# KiCad board SmartEnergyMag_System.kicad_pcb (continued)
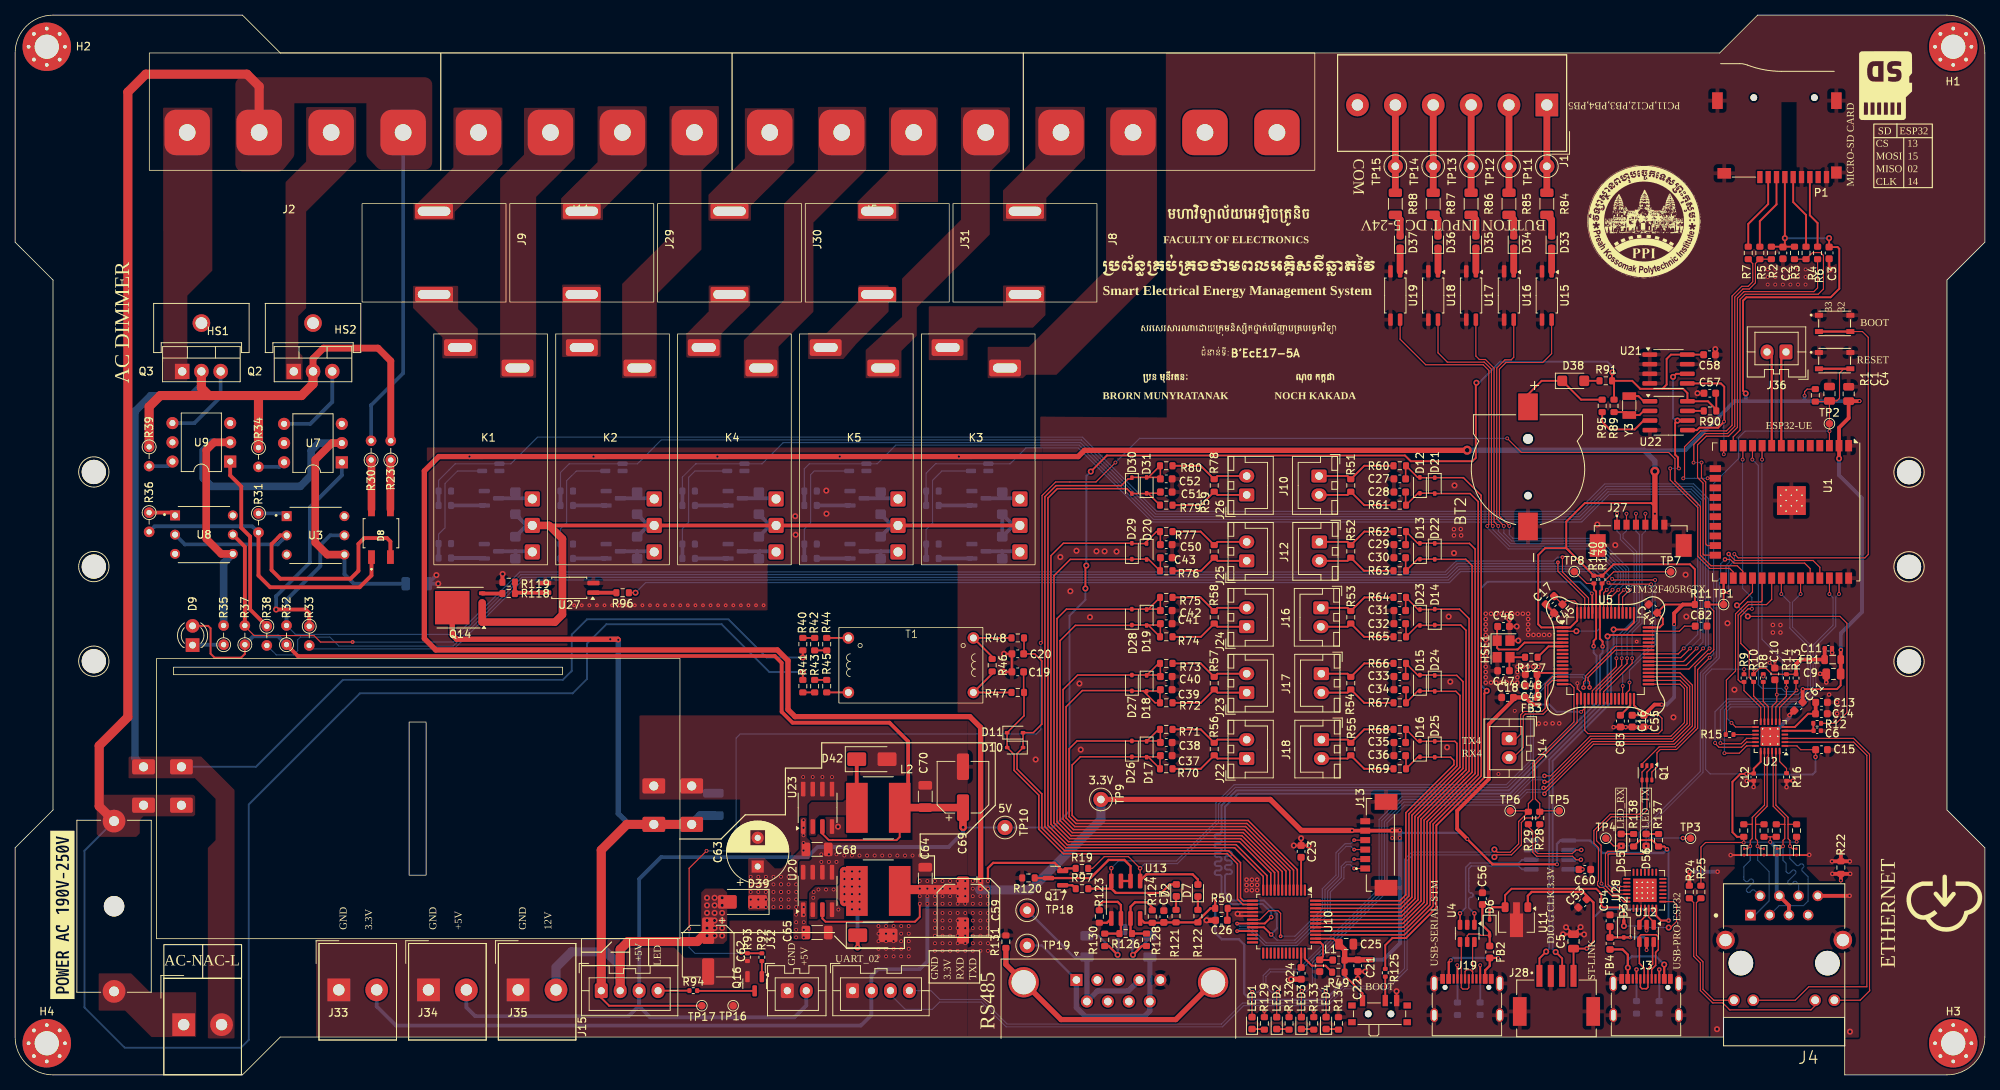
[diagram p0: board, top side]
## Placement (name value [footprint] x y rotation side) (continued)
TP11  C5199900  [TestPoint_Loop_D1.80mm_Drill1.0mm_Beaded]  202.18 120.03 270 top
TP12  C5199900  [TestPoint_Loop_D1.80mm_Drill1.0mm_Beaded]  197.18 120.03 270 top
TP13  C5199900  [TestPoint_Loop_D1.80mm_Drill1.0mm_Beaded]  192.18 120.03 270 top
TP14  C5199900  [TestPoint_Loop_D1.80mm_Drill1.0mm_Beaded]  187.18 120.03 270 top
TP15  C5199900  [TestPoint_Loop_D1.80mm_Drill1.0mm_Beaded]  182.18 120.03 270 top
TP16  TestPoint  [TestPoint_Pad_D1.0mm]  94.78 9.13 0 top
TP17  TestPoint  [TestPoint_Pad_D1.0mm]  90.64 9.13 90 top
TP18  C5199900  [TestPoint_Loop_D1.80mm_Drill1.0mm_Beaded]  133.58 21.75 0 top
TP19  C5199900  [TestPoint_Loop_D1.80mm_Drill1.0mm_Beaded]  133.58 17.09 0 top
U1  C328062  [ESP32-WROOM-32U]  233.77 74.37 270 top
U2  LAN8720A  [VQFN-24-1EP_4x4mm_P0.5mm_EP2.5x2.5mm_ThermalVias]  231.66 44.71 180 top
U3  MCT2E  [DIP762W50P254L742H480Q6]  39.65 71.27 0 top
U4  USBLC6  [SOT-23-6]  191.67 18.69 270 top
U5  C15742  [LQFP-64_10x10mm_P0.5mm]  209.94 55.36 0 top
U6  CH330N  [SOIC-8_3.9x4.9mm_P1.27mm]  202.59 29.05 0 bottom
U7  MOC3021M  [DIP-6_W7.62mm]  43.12 80.92 180 top
U8  MCT2E  [DIP762W50P254L742H480Q6]  24.92 71.37 0 top
U9  MOC3021M  [DIP-6_W7.62mm]  28.39 81.02 180 top
U10  BL0910  [LQFP-48_7x7mm_P0.5mm]  167.49 20.25 270 top
U11  AP130-33Y  [SOT-89-3]  198.17 20.2 270 top
U12  USBLC6  [SOT-23-6]  215.35 18.69 270 top
U13  MAX485E  [SOIC-8_3.9x4.9mm_P1.27mm]  146.6 23.13 270 top
U15  C3015389  [SOP-4_4.4x2.6mm_P1.27mm]  202.18 102.96 270 top
U16  C3015389  [SOP-4_4.4x2.6mm_P1.27mm]  197.18 102.96 270 top
U17  C3015389  [SOP-4_4.4x2.6mm_P1.27mm]  192.18 102.96 270 top
U18  C3015389  [SOP-4_4.4x2.6mm_P1.27mm]  187.18 102.96 270 top
U19  C3015389  [SOP-4_4.4x2.6mm_P1.27mm]  182.18 102.96 270 top
U20  XL1509-3.3  [SOIC-8_3.9x4.9mm_P1.27mm]  105.92 24.29 90 top
U21  AT24CS32-SSHM  [SOIC-8_3.9x4.9mm_P1.27mm]  218.25 93.25 0 top
U22  C9868  [SOIC-8_3.9x4.9mm_P1.27mm]  218.26 87.08 0 top
U23  XL1509-5.0  [SOIC-8_3.9x4.9mm_P1.27mm]  105.92 35.28 90 top
U27  C3015389  [SOP-4_4.4x2.6mm_P1.27mm]  73.14 64.33 180 top
U28  CP2102N  [QFN-28-1EP_5x5mm_P0.5mm_EP3.1x3.1mm_ThermalVias]  215.12 24.38 90 top
U29  SN74LVC1G14DBV  [SOT-23-5]  62.78 80.73 180 bottom
U30  SN74LVC1G14DBV  [SOT-23-5]  79.04 80.73 180 bottom
U31  SN74LVC1G14DBV  [SOT-23-5]  95.13 80.73 180 bottom
U32  SN74LVC1G14DBV  [SOT-23-5]  111.22 80.73 180 bottom
U33  SN74LVC1G14DBV  [SOT-23-5]  127.31 80.73 180 bottom
Y3  32768Hz  [Crystal_SMD_3215-2Pin_3.2x1.5mm]  213.06 88.42 270 top

## Library data of the parts
BOOT1 = -: Description: Switch, dual pole double throw, separate symbols; ki_fp_filters: SW*DPDT*
BT2 = -: STANDARD: Manufacturer Recommendation; MAXIMUM_PACKAGE_HEIGHT: 4.25mm; PARTREV: 10/31/19; MANUFACTURER: MPD
C1-C6 C9-C18 C44-C47 C49 C53-C58 C60 C61 C82 C83 = -: ki_fp_filters: C_*
C7 C19-C43 C50-C52 C64 C65 C68 C70 C71 = -: Description: Unpolarized capacitor; ki_fp_filters: C_*
C48 = -: ki_fp_filters: CP_*
C59 C62 C63 C69 = -: Description: Polarized capacitor; JLCPCB Part #: C59918; ki_fp_filters: CP_*
D1 D3-D5 = -: Datasheet: https://www.onsemi.com/pub/Collateral/ESD9B-D.PDF; ki_fp_filters: D*SOD?923*
D2 D7 D36 D55 D56 = -: Description: Light emitting diode; ki_fp_filters: LED* LED_SMD:* LED_THT:*
D6 D32 = -: ki_fp_filters: TO-???* *_Diode_* *SingleDiode* D_*
D8 = -: Description: 0.8A, 600V, Standard Bridge Rectifier; MF: Taiwan Semiconductor; MAXIMUM_PACKAGE_HEIGHT: 2.9mm; Package: TO-269AA-4 Taiwan Semiconductor; Price: None; Check_prices: https://www.snapeda.com/parts/MBS6/Taiwan+Semiconductor/view-part/?ref=eda; STANDARD: Manufacturer Recommendations; PARTREV: Q2309; SnapEDA_Link: https://www.snapeda.com/parts/MBS6/Taiwan+Semiconductor/view-part/?ref=snap; Purchase-URL: https://www.snapeda.com/api/url_track_click_mouser/?unipart_id=486189&manufacturer=Taiwan Semiconductor&part_name=MBS6&search_term=bridge rectifier; SNAPEDA_PN: X; Availability: In Stock; MANUFACTURER: Taiwan Semiconductor
D9 LED1-LED4 = -: ki_fp_filters: LED* LED_SMD:* LED_THT:*
D10-D31 = -: Datasheet: https://www.vishay.com/docs/85751/1n4148ws.pdf; Description: 75V 0.15A Fast switching Diode, SOD-323; Sim.Device: D; Sim.Pins: 1=K 2=A; ki_fp_filters: D*SOD?323*
D33-D35 D37 = -: Description: Light emitting diode; Untitled Field: C84263; ki_fp_filters: LED* LED_SMD:* LED_THT:*
D38 = -: Sim.Pins: 1=K 2=A; ki_fp_filters: TO-???* *_Diode_* *SingleDiode* D_*
D39 D40 D42 = -: Datasheet: https://www.vishay.com/docs/88751/ss32.pdf; Description: 40V 3A Schottky Diode, SMA; ki_fp_filters: D*SMA*
D41 = -: Datasheet: https://www.onsemi.com/pub_link/Collateral/NUP2105L-D.PDF; Description: Dual Line CAN Bus Protector, 24Vrwm, Automotive Grade; ki_fp_filters: SOT?23*
D45-D54 = -: Description: Diode; Sim.Pins: 1=K 2=A; ki_fp_filters: TO-???* *_Diode_* *SingleDiode* D_*
DRA1 DRA2 = -: Description: DIN Rail adapter universal, mounting holes without connection; ki_fp_filters: DINRailAdapter?3xM3* DINRailAdapter?2xM3*
F1 F3 = -: Description: Fuse, small symbol; ki_fp_filters: *Fuse*
F2 = -: ki_fp_filters: *Fuse*
FB1-FB4 = -: ki_fp_filters: Inductor_* L_* *Ferrite*
H1-H4 = -: ki_fp_filters: MountingHole*Pad*
HS1 HS2 = -: ki_fp_filters: Heatsink_*
HSE1 Y3 = -: ki_fp_filters: Crystal*
J1 = -: Description: Generic screw terminal, single row, 01x06, script generated (kicad-library-utils/schlib/autogen/connector/); ki_fp_filters: TerminalBlock*:*
J2 = -: ki_fp_filters: TerminalBlock*:*
J3 = -: Datasheet: https://www.usb.org/sites/default/files/documents/usb_type-c.zip; Description: USB 2.0-only 16P Type-C Receptacle connector; Untitled Field: C7506797; ki_fp_filters: USB*C*Receptacle*
J4 = -: MF: hanrun; DESCRIPTION: DIP RJ45 Connector;; PACKAGE: None; PRICE: None; Package: None; Check_prices: https://www.snapeda.com/parts/HR911105A/HanRun/view-part/?ref=eda; STANDARD: Manufacturer Recommendation; PARTREV: A; SnapEDA_Link: https://www.snapeda.com/parts/HR911105A/HanRun/view-part/?ref=snap; Price: None; Availability: Not in stock; AVAILABILITY: Unavailable
J5 J6 J11 = -: JLCPCB Part #: C395960; ki_fp_filters: TerminalBlock*:*
J7 = -: Description: 9-pin male plug pin D-SUB connector, Mounting Hole; ki_fp_filters: DSUB*Male*
J8-J10 J12 J14 J16-J18 J22-J26 J29-J32 J36 = -: Description: Generic connector, single row, 01x02, script generated; ki_fp_filters: Connector*:*_1x??_*
J13 J27 = -: MF: Molex; MAXIMUM_PACKAGE_HEIGHT: 4.7mm; Package: None; Price: None; Check_prices: https://www.snapeda.com/parts/0533980671/Molex/view-part/?ref=eda; STANDARD: Manufacturer Recommendations; PARTREV: A; SnapEDA_Link: https://www.snapeda.com/parts/0533980671/Molex/view-part/?ref=snap; Description_1: Picoblade Connector, 6 Circuit Single Row, Right Angle Surface Mount SMT PCB; Availability: In Stock; MANUFACTURER: Molex
J15 J20 = -: Description: Generic connector, single row, 01x04, script generated; ki_fp_filters: Connector*:*_1x??_*
J19 = -: Datasheet: https://www.usb.org/sites/default/files/documents/usb_type-c.zip; Description: USB 2.0-only 16P Type-C Receptacle connector; ki_fp_filters: USB*C*Receptacle*
J21 J33-J35 = -: Description: Generic screw terminal, single row, 01x02, script generated (kicad-library-utils/schlib/autogen/connector/); ki_fp_filters: TerminalBlock*:*
J28 = -: MF: JST Sales; MAXIMUM_PACKAGE_HEIGHT: 5.8 mm; Package: None; Price: None; Check_prices: https://www.snapeda.com/parts/SM04B-ZESS-TB(LF)(SN)/JST+Sales+America+Inc./view-part/?ref=eda; STANDARD: Manufacturer Recommendations; PARTREV: N/A; SnapEDA_Link: https://www.snapeda.com/parts/SM04B-ZESS-TB(LF)(SN)/JST+Sales+America+Inc./view-part/?ref=snap; MP: SM04B-ZESS-TB(LF)(SN); Description_1: Connector Header Surface Mount, Right Angle 4 position 0.059 (1.50mm); Availability: In Stock; MANUFACTURER: JST
K1-K5 = -: Description: Relay SPST, Normally Open, EN50005; ki_fp_filters: Relay?SPST*
L1 = -: Description: Inductor; ki_fp_filters: Choke_* *Coil* Inductor_* L_*
L2 L4 = -: ki_fp_filters: Choke_* *Coil* Inductor_* L_*
P1 = -: Description: Micro SD Card Socket; MF: Suntech; Package: None; Price: None; Check_prices: https://www.snapeda.com/parts/ST-TF-003A/Suntech/view-part/?ref=eda; SnapEDA_Link: https://www.snapeda.com/parts/ST-TF-003A/Suntech/view-part/?ref=snap; MP: ST-TF-003A; Availability: Not in stock; MANUFACTURER: Suntech
PS1 = -: Datasheet: https://h.hlktech.com/download/ACDC%E7%94%B5%E6%BA%90%E6%A8%A1%E5%9D%9712W%E7%B3%BB%E5%88%97/1/12W%E7%B3%BB%E5%88%97%E8%A7%84%E6%A0%BC%E4%B9%A6.pdf; Description: Compact AC/DC board mount power module 12W 5V; ki_fp_filters: Converter*ACDC*Hi?Link*HLK?12M*
Q1 = -: Datasheet: http://rohmfs.rohm.com/en/products/databook/datasheet/discrete/transistor/digital/emh3t2r-e.pdf; Description: 0.1A Ic, 50V Vce, Dual NPN Input Resistor Transistors, SOT-363; ki_fp_filters: SOT?363*
Q2 Q3 = -: Datasheet: http://www.micropik.com/PDF/BT136-600.pdf; ki_fp_filters: TO?220*
Q4-Q13 Q16 = -: Description: NPN transistor, base/emitter/collector
Q14 = -: Datasheet: http://www.infineon.com/dgdl/Infineon-BSC026N08NS5-DS-v02_01-EN.pdf?fileId=5546d4624ad04ef9014ae2eace7629e0; Description: 100A Id, 80V Vds, OptiMOS N-Channel Power MOSFET, 2.6mOhm Ron, Qg (typ) 74.0nC, PG-TDSON-8; ki_fp_filters: TDSON*
Q17 = -: Description: PNP transistor, base/emitter/collector
R1-R18 R20-R39 R81 R82 R89-R95 R127 R129 R132-R134 R137 R138 = -: ki_fp_filters: R_*
R19 R40-R80 R83 R97 R120-R126 R128 R130 R131 R139 R140 = -: Description: Resistor; ki_fp_filters: R_*
R84-R88 = -: Description: Resistor; JLCPCB Part #: C3017298; ki_fp_filters: R_*
R96 R98-R119 = -: Description: Resistor, small symbol; ki_fp_filters: R_*
SW1 SW2 = -: Description: Tactile Switch SPST-NO Top Actuated Surface Mount; MF: C&K; Package: None; Price: None; Check_prices: https://www.snapeda.com/parts/PTS810%20SJM%20250%20SMTR%20LFS/C%2526K/view-part/?ref=eda; STANDARD: Manufacturer Recommendations; SnapEDA_Link: https://www.snapeda.com/parts/PTS810%20SJM%20250%20SMTR%20LFS/C%2526K/view-part/?ref=snap; MP: PTS810 SJM 250 SMTR LFS; Purchase-URL: https://www.snapeda.com/api/url_track_click_mouser/?unipart_id=522770&manufacturer=C&amp;K&part_name=PTS810 SJM 250 SMTR LFS&search_term=None; Availability: In Stock; MANUFACTURER: CnK
T1 = -: Description: Transformer, single primary, single secondary
TP1-TP10 TP12 = -: Description: test point (alternative probe-style design); ki_fp_filters: Pin* Test*
TP11 TP13-TP15 TP18 TP19 = -: Description: test point (alternative probe-style design); JLCPCB Part #: C5277087; ki_fp_filters: Pin* Test*
TP16 TP17 = -: Description: test point; ki_fp_filters: Pin* Test*
U1 = -: Datasheet: https://www.espressif.com/sites/default/files/documentation/esp32-wroom-32d_esp32-wroom-32u_datasheet_en.pdf; ki_fp_filters: ESP32?WROOM?32U*
U2 = -: Datasheet: http://ww1.microchip.com/downloads/en/DeviceDoc/8720a.pdf; ki_fp_filters: VQFN*1EP*4x4mm*P0.5mm*
U3 U8 = -: Description: Optoisolator Transistor with Base Output 5300Vrms 1 Channel 6-DIP; B_NOM: 0.5; D_MAX: 7.42; E1_NOM: 6.5; E1_MIN: 6.2; B_MAX: 0.6; Price: None; ENOM: 2.54; D_NOM: 7.12; Purchase-URL: https://www.snapeda.com/api/url_track_click_mouser/?unipart_id=2734202&manufacturer=ON Semiconductor&part_name=MCT2E&search_term=None; A_MAX: 4.8; Package: DIP-6 Boca Semiconductor; A_NOM: 4.8; Check_prices: https://www.snapeda.com/parts/MCT2E/Onsemi/view-part/?ref=eda; A_MIN: 4.8; STANDARD: IPC 7351B; PARTREV: 7; SnapEDA_Link: https://www.snapeda.com/parts/MCT2E/Onsemi/view-part/?ref=snap; E_NOM: 7.62; B_MIN: 0.4; PIN_COUNT: 6.0; MANUFACTURER: Everlight; MF: ON Semiconductor; MAXIMUM_PACKAGE_HEIGHT: 4.80mm; E1_MAX: 6.8; D_MIN: 6.82; Availability: In Stock
U4 U12 = -: Datasheet: http://www2.st.com/resource/en/datasheet/CD00050750.pdf; ki_fp_filters: SOT?23*
U5 = -: Datasheet: https://www.st.com/resource/en/datasheet/stm32f405rg.pdf; Description: STMicroelectronics Arm Cortex-M4 MCU, 1024KB flash, 192KB RAM, 168 MHz, 1.8-3.6V, 51 GPIO, LQFP64; ki_fp_filters: LQFP*10x10mm*P0.5mm*
U6 = -: Datasheet: http://www.wch.cn/downloads/file/240.html; Description: USB serial converter, UART, SOIC-8; ki_fp_filters: SOIC*3.9x4.9mm*P1.27mm*
U7 U9 = -: Datasheet: https://www.onsemi.com/pub/Collateral/MOC3023M-D.PDF; ki_fp_filters: DIP*W7.62mm* SMDIP*W9.53mm* DIP*W10.16mm*
U10 = -: Datasheet: https://www.lcsc.com/datasheet/lcsc_datasheet_2202132000_BL-Shanghai-Belling-BL0910_C2841006.pdf
U11 = -: Datasheet: https://www.diodes.com/assets/Datasheets/AP130.pdf; ki_fp_filters: SOT?89*3*
U13 = -: Datasheet: https://datasheets.maximintegrated.com/en/ds/MAX1487E-MAX491E.pdf; Description: Half duplex RS-485/RS-422, 2.5 Mbps, ±15kV electro-static discharge (ESD) protection, no slew-rate, no low-power shutdown, with receiver/driver enable, 32 receiver drive capability, DIP-8 and SOIC-8; ki_fp_filters: DIP*W7.62mm* SOIC*3.9x4.9mm*P1.27mm*
U15-U19 U27 = -: Datasheet: https://www.buerklin.com/medias/sys_master/download/download/h91/ha0/8892020588574.pdf; Description: DC Optocoupler, Vce 35V, CTR 50%, SO-4; ki_fp_filters: SO*4.4x3.6mm*P2.54mm*
U20 = -: Datasheet: https://datasheet.lcsc.com/lcsc/1809050422_XLSEMI-XL1509-5-0E1_C61063.pdf; Description: Buck DC/DC Converter, 2A, 3.3V Output Voltage, 4.5-40V Input Voltage; JLCPCB Part #: C2681226; ki_fp_filters: SOIC*3.9x4.9mm*P1.27mm*
U21 = -: Datasheet: http://ww1.microchip.com/downloads/en/DeviceDoc/Atmel-8869-SEEPROM-AT24CS32-Datasheet.pdf; ki_fp_filters: SOIC*3.9x4.9mm*P1.27mm*
U22 = -: Datasheet: https://datasheets.maximintegrated.com/en/ds/DS1307.pdf; ki_fp_filters: SOIC*3.9x4.9mm?P1.27mm*
U23 = -: Datasheet: https://datasheet.lcsc.com/lcsc/1809050422_XLSEMI-XL1509-5-0E1_C61063.pdf; Description: Buck DC/DC Converter, 2A, 5V Output Voltage, 7-40V Input Voltage; JLCPCB Part #: C2902368; ki_fp_filters: SOIC*3.9x4.9mm*P1.27mm*
U28 = -: Datasheet: https://www.silabs.com/documents/public/data-sheets/cp2102n-datasheet.pdf; Description: USB to UART master bridge, QFN-28; Untitled Field: C1550553; ki_fp_filters: QFN*1EP*5x5mm*P0.5mm*
U29-U33 = -: Datasheet: https://www.ti.com/lit/ds/symlink/sn74lvc1g14.pdf; Description: Single Schmitt NOT Gate, Low-Voltage CMOS, SOT-23; ki_fp_filters: SOT*23*

## Footprints (pads in the part's own frame, mm; a bottom-side part is the same pattern mirrored in y, then rotated)
AC-DC
  rrect 3x2 hole 1.2: 1(-5,-7.7) 1(0,-7.7) 2(-5,-12.78) 2(0,-12.78) 3(62.357,-15.308) 3(67.357,-15.308) 4(62.357,-10.228) 4(67.357,-10.228)
Altech_AK300_1x02_P5.00mm_45-Degree
  rect 3x3 hole 1.5: 1(0,0)
  round 3 hole 1.5: 2(5,0)
Altech_AK300_1x06_P5.00mm_45-Degree
  rect 3x3 hole 1.5: 1(0,0)
  round 3 hole 1.5: 2(5,0) 3(10,0) 4(15,0) 5(20,0) 6(25,0)
BAT_BC501SM
  round 1 hole 1 unplated: (-3.5,0)
  round 1.3 hole 1.3 unplated: (4,0)
  rect 3.66x2.6 smd: N(-7.57,0)
  rect 3.54x2.6 smd: P(8.23,0)
C_0402_1005Metric
  rrect 0.56x0.62 smd: 1(-0.48,0) 2(0.48,0)
C_0603_1608Metric
  rrect 0.9x0.95 smd: 1(-0.775,0) 2(0.775,0)
C_0805_2012Metric
  rrect 1x1.45 smd: 1(-0.95,0) 2(0.95,0)
C_1206_3216Metric
  rrect 1.15x1.8 smd: 1(-1.475,0) 2(1.475,0)
C_1210_3225Metric
  rrect 1.15x2.7 smd: 1(-1.475,0) 2(1.475,0)
CP_Elec_6.3x4.5
  rrect 3.5x1.6 smd: 1(-2.7,0) 2(2.7,0)
CP_Radial_D8.0mm_P3.80mm
  rect 1.6x1.6 hole 0.8: 1(0,0)
  round 1.6 hole 0.8: 2(3.8,0)
Crystal_SMD_3215-2Pin_3.2x1.5mm
  rect 1x1.8 smd: 1(1.25,0) 2(-1.25,0)
Crystal_SMD_Abracon_ABM8G-4Pin_3.2x2.5mm
  rect 1.4x1.2 smd: 1(-1.1,-0.85) 2(1.1,-0.85) 3(1.1,0.85) 4(-1.1,0.85)
D_SMA
  rrect 2.5x1.8 smd: 1(-2,0) 2(2,0)
D_SMF
  rrect 1.3x1.4 smd: 1(-1.45,0) 2(1.45,0)
D_SOD-323
  rrect 0.6x0.45 smd: 1(-1.05,0) 2(1.05,0)
D_SOD-923
  rrect 0.36x0.25 smd: 1(-0.42,0) 2(0.42,0)
DBT50G-9.5-4P
  rrect 6x6 hole 2.2: 1(0,0) 2(9.5,0) 3(19,0) 4(28.5,0)
DINRailAdapter_3xM3_PhoenixContact_1201578
  round 3.2 hole 3.2 unplated: (-12.5,0) (0,0) (12.5,0)
DIOB_MBS6
  rect 1.8x0.9 smd: +(-3.15,1.25) -(-3.15,-1.25) AC1(3.15,1.25) AC2(3.15,-1.25)
DIP762W50P254L742H480Q6
  rect 1.308x1.308 hole 0.8: 1(-3.81,2.54)
  round 1.308 hole 0.8: 2(-3.81,0) 3(-3.81,-2.54) 4(3.81,-2.54) 5(3.81,0) 6(3.81,2.54)
DIP-6_W7.62mm
  rect 1.6x1.6 hole 0.8: 1(0,0)
  oval 1.6x1.6 hole 0.8: 2(0,-2.54) 3(0,-5.08) 4(7.62,-5.08) 5(7.62,-2.54) 6(7.62,0)
DSUB-9_Male_Horizontal_P2.77x2.84mm_EdgePinOffset4.94mm_Housed_MountingHolesOffset7.48mm
  round 4 hole 3.2: 0(-6.96,-0.3) 0(18.04,-0.3)
  rect 1.6x1.6 hole 1: 1(0,0)
  round 1.6 hole 1: 2(2.77,0) 3(5.54,0) 4(8.31,0) 5(11.08,0) 6(1.385,-2.84) 7(4.155,-2.84) 8(6.925,-2.84) 9(9.695,-2.84)
ESP32-WROOM-32U
  rect 1.5x0.9 smd: 1(-8.75,8.255) 2(-8.75,6.985) 3(-8.75,5.715) 4(-8.75,4.445) 5(-8.75,3.175) 6(-8.75,1.905) 7(-8.75,0.635) 8(-8.75,-0.635) 9(-8.75,-1.905) 10(-8.75,-3.175) 11(-8.75,-4.445) 12(-8.75,-5.715) 13(-8.75,-6.985) 14(-8.75,-8.255) 25(8.75,-8.255) 26(8.75,-6.985) 27(8.75,-5.715) 28(8.75,-4.445) 29(8.75,-3.175) 30(8.75,-1.905) 31(8.75,-0.635) 32(8.75,0.635) 33(8.75,1.905) 34(8.75,3.175) 35(8.75,4.445) 36(8.75,5.715) 37(8.75,6.985) 38(8.75,8.255)
  rect 0.9x1.5 smd: 15(-5.715,-9.35) 16(-4.445,-9.35) 17(-3.175,-9.35) 18(-1.905,-9.35) 19(-0.635,-9.35) 20(0.635,-9.35) 21(1.905,-9.35) 22(3.175,-9.35) 23(4.445,-9.35) 24(5.715,-9.35)
  rect 0.9x0.9 smd: 39(-2.9,2.09) 39(-2.9,0.69) 39(-2.9,-0.71) 39(-1.5,2.09) 39(-1.5,0.69) 39(-1.5,-0.71) 39(-0.1,2.09) 39(-0.1,0.69) 39(-0.1,-0.71)
  round 0.6 hole 0.2: 39(-2.9,1.39) 39(-2.9,-0.01) 39(-2.2,2.09) 39(-2.2,0.69) 39(-2.2,-0.71) 39(-1.5,1.39) 39(-1.5,-0.01) 39(-0.8,2.09) 39(-0.8,0.69) 39(-0.8,-0.71) 39(-0.1,1.39) 39(-0.1,-0.01)
  rect 3.8x3.8 smd: 39(-1.5,0.69)
Fuse_1206_3216Metric
  rrect 1.25x1.75 smd: 1(-1.4,0) 2(1.4,0)
Fuseholder_Cylinder-5x20mm_Schurter_0031_8201_Horizontal_Open
  round 2.7 hole 2.7 unplated: (11.25,0)
  round 3 hole 1.3: 1(0,0) 2(22.5,0)
HANRUN_HR911105A
  round 3.25 hole 3.25 unplated: (-5.715,0) (5.715,0)
  rect 1.398x1.398 hole 0.89: 1(4.45,-6.35)
  round 1.398 hole 0.89: 2(3.18,-8.89) 3(1.91,-6.35) 4(0.64,-8.89) 5(-0.63,-6.35) 6(-1.9,-8.89) 7(-3.17,-6.35) 8(-4.44,-8.89)
  round 1.53 hole 1.02: 9(6.625,4.9) 10(4.085,4.9) 11(-4.085,4.9) 12(-6.625,4.9)
  round 2.445 hole 1.63: 15(7.745,-3.05) 16(-7.745,-3.05)
HPT225A-G
  round 1.524 hole 0.914: 1(-8.35,0) 2(-8.35,-7.2) 3(8.15,0) 4(8.15,-7.2)
HSINK_SK_95_25_STS_TO_220
  round 2.325 hole 1.55: 1(0,0)
JST_SM04B-ZESS-TB_LF__SN_
  rect 0.8x2.9 smd: 1(-2.25,0) 2(-0.75,0) 3(0.75,0) 4(2.25,0)
  rect 1.8x3.8 smd: S1(-4.85,-4.7) S2(4.85,-4.7)
JST_XA_B02B-XASK-1_1x02_P2.50mm_Vertical
  rrect 1.7x1.95 hole 0.95: 1(0,0)
  oval 1.7x1.95 hole 0.95: 2(2.5,0)
JST_XA_B04B-XASK-1_1x04_P2.50mm_Vertical
  rrect 1.7x1.95 hole 0.95: 1(0,0)
  oval 1.7x1.95 hole 0.95: 2(2.5,0) 3(5,0) 4(7.5,0)
JST_XH_B2B-XH-A_1x02_P2.50mm_Vertical
  rrect 1.7x2 hole 1: 1(0,0)
  oval 1.7x2 hole 1: 2(2.5,0)
K88A
  rrect 2.2x4.2 hole 1.2x3.2: 13(28.7,11.55) 14(26,3.95)
  rrect 2x2 hole 1.2: A1(1.7,2) A2(8.7,2) A3(5.2,2)
L_0603_1608Metric
  rrect 0.875x0.95 smd: 1(-0.788,0) 2(0.788,0)
L_0805_2012Metric
  rrect 0.875x1.2 smd: 1(-1.062,0) 2(1.062,0)
L_Bourns_SRN8040TA
  rect 2.85x6.6 smd: 1(-2.825,0) 2(2.825,0)
LED_0603_1608Metric
  rrect 0.875x0.95 smd: 1(-0.788,0) 2(0.788,0)
LED_D3.0mm
  rect 1.8x1.8 hole 0.9: 1(0,0)
  round 1.8 hole 0.9: 2(2.54,0)
LQFP-48_7x7mm_P0.5mm
  rrect 1.475x0.3 smd: 1(-4.162,2.75) 2(-4.162,2.25) 3(-4.162,1.75) 4(-4.162,1.25) 5(-4.162,0.75) 6(-4.162,0.25) 7(-4.162,-0.25) 8(-4.162,-0.75) 9(-4.162,-1.25) 10(-4.162,-1.75) 11(-4.162,-2.25) 12(-4.162,-2.75) 25(4.162,-2.75) 26(4.162,-2.25) 27(4.162,-1.75) 28(4.162,-1.25) 29(4.162,-0.75) 30(4.162,-0.25) 31(4.162,0.25) 32(4.162,0.75) 33(4.162,1.25) 34(4.162,1.75) 35(4.162,2.25) 36(4.162,2.75)
  rrect 0.3x1.475 smd: 13(-2.75,-4.162) 14(-2.25,-4.162) 15(-1.75,-4.162) 16(-1.25,-4.162) 17(-0.75,-4.162) 18(-0.25,-4.162) 19(0.25,-4.162) 20(0.75,-4.162) 21(1.25,-4.162) 22(1.75,-4.162) 23(2.25,-4.162) 24(2.75,-4.162) 37(2.75,4.162) 38(2.25,4.162) 39(1.75,4.162) 40(1.25,4.162) 41(0.75,4.162) 42(0.25,4.162) 43(-0.25,4.162) 44(-0.75,4.162) 45(-1.25,4.162) 46(-1.75,4.162) 47(-2.25,4.162) 48(-2.75,4.162)
LQFP-64_10x10mm_P0.5mm
  rrect 1.55x0.3 smd: 1(-5.675,3.75) 2(-5.675,3.25) 3(-5.675,2.75) 4(-5.675,2.25) 5(-5.675,1.75) 6(-5.675,1.25) 7(-5.675,0.75) 8(-5.675,0.25) 9(-5.675,-0.25) 10(-5.675,-0.75) 11(-5.675,-1.25) 12(-5.675,-1.75) 13(-5.675,-2.25) 14(-5.675,-2.75) 15(-5.675,-3.25) 16(-5.675,-3.75) 33(5.675,-3.75) 34(5.675,-3.25) 35(5.675,-2.75) 36(5.675,-2.25) 37(5.675,-1.75) 38(5.675,-1.25) 39(5.675,-0.75) 40(5.675,-0.25) 41(5.675,0.25) 42(5.675,0.75) 43(5.675,1.25) 44(5.675,1.75) 45(5.675,2.25) 46(5.675,2.75) 47(5.675,3.25) 48(5.675,3.75)
  rrect 0.3x1.55 smd: 17(-3.75,-5.675) 18(-3.25,-5.675) 19(-2.75,-5.675) 20(-2.25,-5.675) 21(-1.75,-5.675) 22(-1.25,-5.675) 23(-0.75,-5.675) 24(-0.25,-5.675) 25(0.25,-5.675) 26(0.75,-5.675) 27(1.25,-5.675) 28(1.75,-5.675) 29(2.25,-5.675) 30(2.75,-5.675) 31(3.25,-5.675) 32(3.75,-5.675) 49(3.75,5.675) 50(3.25,5.675) 51(2.75,5.675) 52(2.25,5.675) 53(1.75,5.675) 54(1.25,5.675) 55(0.75,5.675) 56(0.25,5.675) 57(-0.25,5.675) 58(-0.75,5.675) 59(-1.25,5.675) 60(-1.75,5.675) 61(-2.25,5.675) 62(-2.75,5.675) 63(-3.25,5.675) 64(-3.75,5.675)
MOLEX_0533980671
  rect 0.8x1.3 smd: 1(-3.125,0.65) 2(-1.875,0.65) 3(-0.625,0.65) 4(0.625,0.65) 5(1.875,0.65) 6(3.125,0.65)
  rect 2.1x3 smd: S1(-5.675,-2.1) S2(5.675,-2.1)
MountingHole_3.2mm_M3_Pad_Via
  round 0.8 hole 0.5: 1(-2.4,0) 1(-1.697,1.697) 1(-1.697,-1.697) 1(0,2.4) 1(0,-2.4) 1(1.697,1.697) 1(1.697,-1.697) 1(2.4,0)
  round 6.4 hole 3.2: 1(0,0)
QFN-28-1EP_5x5mm_P0.5mm_EP3.1x3.1mm_ThermalVias
  custom 0.403x0.403 smd: (-1.3,1.3) (-1.3,-1.3) (1.3,1.3) (1.3,-1.3)
  custom 0.403x0.564 smd: (-1.3,0.7) (-1.3,0) (-1.3,-0.7) (1.3,0.7) (1.3,0) (1.3,-0.7)
  custom 0.564x0.403 smd: (-0.7,1.3) (-0.7,-1.3) (0,1.3) (0,-1.3) (0.7,1.3) (0.7,-1.3)
  custom 0.564x0.564 smd: (-0.7,0.7) (-0.7,0) (-0.7,-0.7) (0,0.7) (0,0) (0,-0.7) (0.7,0.7) (0.7,0) (0.7,-0.7)
  rrect 0.95x0.25 smd: 1(-2.375,1.5) 2(-2.375,1) 3(-2.375,0.5) 4(-2.375,0) 5(-2.375,-0.5) 6(-2.375,-1) 7(-2.375,-1.5) 15(2.375,-1.5) 16(2.375,-1) 17(2.375,-0.5) 18(2.375,0) 19(2.375,0.5) 20(2.375,1) 21(2.375,1.5)
  rrect 0.25x0.95 smd: 8(-1.5,-2.375) 9(-1,-2.375) 10(-0.5,-2.375) 11(0,-2.375) 12(0.5,-2.375) 13(1,-2.375) 14(1.5,-2.375) 22(1.5,2.375) 23(1,2.375) 24(0.5,2.375) 25(0,2.375) 26(-0.5,2.375) 27(-1,2.375) 28(-1.5,2.375)
  round 0.5 hole 0.2: 29(-1.05,1.05) 29(-1.05,0.35) 29(-1.05,-0.35) 29(-1.05,-1.05) 29(-0.35,0.35) 29(-0.35,-0.35) 29(-0.35,1.05) 29(-0.35,-1.05) 29(0.35,1.05) 29(0.35,-1.05) 29(0.35,0.35) 29(0.35,-0.35) 29(1.05,1.05) 29(1.05,0.35) 29(1.05,-0.35) 29(1.05,-1.05)
  rect 2.6x2.6 smd far side: 29(0,0)
  rect 3.1x3.1 smd: 29(0,0)
R_0402_1005Metric
  rrect 0.54x0.64 smd: 1(-0.51,0) 2(0.51,0)
R_0603_1608Metric
  rrect 0.8x0.95 smd: 1(-0.825,0) 2(0.825,0)
R_1206_3216Metric
  rrect 1.125x1.75 smd: 1(-1.462,0) 2(1.462,0)
R_Axial_DIN0204_L3.6mm_D1.6mm_P2.54mm_Vertical
  round 1.4 hole 0.7: 1(0,0)
  oval 1.4x1.4 hole 0.7: 2(2.54,0)
SOIC-8_3.9x4.9mm_P1.27mm
  rrect 1.95x0.6 smd: 1(-2.475,1.905) 2(-2.475,0.635) 3(-2.475,-0.635) 4(-2.475,-1.905) 5(2.475,-1.905) 6(2.475,-0.635) 7(2.475,0.635) 8(2.475,1.905)
SOP-4_4.4x2.6mm_P1.27mm
  rrect 1.625x0.6 smd: 1(-3.188,0.635) 2(-3.188,-0.635) 3(3.188,-0.635) 4(3.188,0.635)
SOT-23
  rrect 1.475x0.6 smd: 1(-0.938,0.95) 2(-0.938,-0.95) 3(0.938,0)
SOT-23-5
  rrect 1.325x0.6 smd: 1(-1.137,0.95) 2(-1.137,0) 3(-1.137,-0.95) 4(1.137,-0.95) 5(1.137,0.95)
SOT-23-6
  rrect 1.325x0.6 smd: 1(-1.137,0.95) 2(-1.137,0) 3(-1.137,-0.95) 4(1.137,-0.95) 5(1.137,0) 6(1.137,0.95)
SOT-89-3
  rrect 1.3x0.9 smd: 1(-1.95,1.5) 3(-1.95,-1.5)
  custom 4.6x1.733 smd: 2(-1.862,0)
SOT-363_SC-70-6
  rrect 0.65x0.4 smd: 1(-0.95,0.65) 2(-0.95,0) 3(-0.95,-0.65) 4(0.95,-0.65) 5(0.95,0) 6(0.95,0.65)
SUNTECH_ST-TF-003A
  round 0.9 hole 0.9 unplated: (-3.68,-5.17) (4.32,-5.17)
  rect 0.7x1.6 smd: 1(3.52,5.33) 2(2.42,5.33) 3(1.32,5.33) 4(0.22,5.33) 5(-0.88,5.33) 6(-1.98,5.33) 7(-3.08,5.33) 8(-4.18,5.33) 9(-5.28,5.33)
  rect 1.4x1.6 smd: G1(-6.58,4.73)
  rect 1.4x2.2 smd: G2(-6.58,-4.77) G3(9.12,-4.77)
  rect 1.8x1.4 smd: G4(8.22,4.83)
SW_PTS810_SJM_250_SMTR_LFS
  rect 1.05x0.65 smd: 1(-2.075,1.075) 2(2.075,1.075) 3(-2.075,-1.075) 4(2.075,-1.075)
SW_SPDT_PCM12
  rect 1x0.8 smd: (-3.65,0.78) (-3.65,-1.43) (3.65,0.78) (3.65,-1.43)
  round 0.9 hole 0.9 unplated: (-1.5,-0.33) (1.5,-0.33)
  rect 0.7x1.5 smd: 1(-2.25,1.43) 2(0.75,1.43) 3(2.25,1.43)
TDSON-8-1
  rrect 1.5x1.5 smd: (-0.2,0.85) (-0.2,-0.85) (1.5,0.85) (1.5,-0.85)
  custom 4.55x4.41 smd: (0.65,0)
  rrect 0.75x0.5 smd: (2.905,1.905) (2.905,0.635) (2.905,-0.635) (2.905,-1.905)
  rrect 0.85x0.5 smd: 1(-2.9,1.905) 2(-2.9,0.635) 3(-2.9,-0.635) 4(-2.9,-1.905)
  rect 4.55x4.41 smd: 5(1.05,0)
TestPoint_Loop_D1.80mm_Drill1.0mm_Beaded
  round 2 hole 1: 1(0,0)
TestPoint_Pad_D1.0mm
  round 1 smd: 1(0,0)
TO-220-3_Vertical
  rect 1.905x2 hole 1.1: 1(0,0)
  oval 1.905x2 hole 1.1: 2(2.54,0) 3(5.08,0)
USB_C_Receptacle_G-Switch_GT-USB-7010ASV
  round 0.65 hole 0.65 unplated: (-2.89,2.605) (2.89,2.605)
  rect 0.6x1.24 smd: A1(-3.2,3.725) A4(-2.4,3.725) A9(2.4,3.725) A12(3.2,3.725) B1(3.2,3.725) B4(2.4,3.725) B9(-2.4,3.725) B12(-3.2,3.725)
  rect 0.3x1.24 smd: A5(-1.25,3.725) A6(-0.25,3.725) A7(0.25,3.725) A8(1.25,3.725) B5(1.75,3.725) B6(0.75,3.725) B7(-0.75,3.725) B8(-1.75,3.725)
  oval 1x2.1 hole 0.6x1.7: S1(-4.32,3.125) S1(4.32,3.125)
  oval 1x1.8 hole 0.6x1.4: S1(-4.32,-1.075) S1(4.32,-1.075)
VQFN-24-1EP_4x4mm_P0.5mm_EP2.5x2.5mm_ThermalVias
  custom 0.927x0.927 smd: (-0.57,0.57) (-0.57,-0.57) (0.57,0.57) (0.57,-0.57)
  rrect 0.875x0.25 smd: 1(-1.938,1.25) 2(-1.937,0.75) 3(-1.938,0.25) 4(-1.938,-0.25) 5(-1.937,-0.75) 6(-1.938,-1.25) 13(1.938,-1.25) 14(1.937,-0.75) 15(1.938,-0.25) 16(1.938,0.25) 17(1.937,0.75) 18(1.938,1.25)
  rrect 0.25x0.875 smd: 7(-1.25,-1.938) 8(-0.75,-1.937) 9(-0.25,-1.938) 10(0.25,-1.938) 11(0.75,-1.937) 12(1.25,-1.938) 19(1.25,1.938) 20(0.75,1.937) 21(0.25,1.938) 22(-0.25,1.938) 23(-0.75,1.937) 24(-1.25,1.938)
  round 0.5 hole 0.2: 25(-1,1) 25(-1,0) 25(-1,-1) 25(0,1) 25(0,0) 25(0,-1) 25(1,1) 25(1,0) 25(1,-1)
  rect 2.5x2.5 smd: 25(0,0)
  rect 2.5x2.5 smd far side: 25(0,0)
ZHT103
  rrect 2x5 hole 1.2x4.3: 1(-0.1,0) 2(10.9,0)

## Nets
+3.3VA: BOOT1.1 C2.1 C3.1 C4.1 C5.1 C7.1 C9.2 C10.1 C16.1 C17.1 C18.1 C22.1 C25.2 C44.1 C45.1 C53.2 C55.1 C59.1 C61.1 C64.1 FB1.2 FB3.2 J13.5 J20.2 J27.5 J28.4 J33.2 L1.2 L4.2 P1.4 Q17.2 R1.1 R2.2 R3.2 R11.1 R19.1 R49.1 R50.2 R121.1 R122.1 R124.1 R137.1 R138.1 R139.1 R140.1 TP9.1 U1.2 U2.9 U5.1 U5.19 U5.32 U5.48 U5.64 U6.5 U10.38 U11.1 U13.8 U20.3 U28.6 U28.7 U29.5 U30.5 U31.5 U32.5 U33.5
+3V3: C11.2 C12.2 C15.1 FB1.1 J4.4 J4.5 R9.2 R10.2 R13.2 R14.2 R17.2 R18.2 R20.2 R21.2 R25.2 U2.1 U2.19
+5V: C57.2 C58.2 C69.1 C70.1 D9.2 J15.3 J32.2 J34.2 L2.2 R32.1 R37.1 R89.1 R90.1 R91.1 TP10.1 U21.8 U22.8 U23.3
+12VA: C62.1 D39.2 J15.2 J35.2
/IC ENERGY/DVDD18: C24.2 U10.35
GND: BOOT1.3 BT2.N C1.2 C2.2 C3.2 C4.2 C5.2 C6.2 C7.2 C9.1 C10.2 C11.1 C12.1 C13.1 C14.1 C15.2 C16.2 C17.2 C18.2 C19.2 C20.2 C21.1 C22.2 C23.1 C24.1 C25.1 C26.1 C27.2 C28.2 C29.2 C30.2 C31.2 C32.2 C33.2 C34.2 C35.2 C36.2 C37.2 C38.2 C39.2 C40.2 C41.2 C42.2 C43.2 C44.2 C45.2 C46.2 C47.2 C48.2 C49.2 C50.2 C51.2 C52.2 C53.1 C54.2 C55.2 C56.2 C57.1 C58.1 C59.2 C60.1 C61.2 C62.2 C63.2 C64.2 C65.2 C68.2 C69.2 C70.2 C71.1 C82.2 C83.2 D1.2 D3.2 D4.2 D5.2 D40.2 D41.3 D42.2 HSE1.2 HSE1.4 J3.A1 J3.A12 J3.B1 J3.B12 J3.S1 J7.5 J13.6 J13.S1 J13.S2 J19.A1 J19.A12 J19.B1 J19.B12 J19.S1 J20.1 J27.6 J27.S1 J27.S2 J28.2 J28.S1 J28.S2 J32.1 J33.1 J34.1 J35.1 P1.6 P1.9 P1.G1 P1.G2 P1.G3 P1.G4 PS1.4 Q4.2 Q5.2 Q6.2 Q7.2 Q8.2 Q9.2 Q10.2 Q11.2 Q12.2 Q13.2 Q16.2 R8.1 R16.1 R22.2 R26.1 R27.1 R81.1 R82.1 R83.2 R93.1 R99.2 R101.1 R103.2 R105.1 R107.2 R109.1 R111.2 R113.1 R115.2 R117.1 R119.2 R120.2 R123.2 R129.1 R131.2 R132.1 R133.1 R134.1 SW1.1 SW1.2 SW2.1 SW2.2 TP16.1 U1.1 U1.15 U1.38 U1.39 U2.25 U4.2 U5.12 U5.18 U5.63 U6.3 U10.16 U10.17 U11.2 U12.2 U13.5 U15.2 U15.3 U16.2 U16.3 U17.2 U17.3 U18.2 U18.3 U19.2 U19.3 U20.4 U20.5 U20.6 U20.7 U20.8 U21.1 U21.2 U21.3 U21.4 U21.7 U22.4 U23.4 U23.5 U23.6 U23.7 U23.8 U27.2 U27.3 U28.3 U28.29 U29.3 U30.3 U31.3 U32.3 U33.3
GND1: J4.8 J4.15 J4.16 R22.1 R24.2
GNDPWR: R35.2 R83.1 U3.4 U7.2 U8.4 U9.2
VBUS: D6.1 D32.1 U11.3 U28.8
VCC: C71.2 J15.1 PS1.3 Q14.5 TP17.1
VDDA: C48.1 C49.1 FB3.1 U5.13
VSSA: C63.1 C65.1 C68.1 D39.1 U20.1 U23.1
01: J5.2 J31.1
02: J5.4 J30.1
03: J11.2 J29.1
04: J9.1 J11.4
05: J6.4 J8.1
/AC Dimmer /L: R30.2
/BUTTON/BTN1: J1.1 R84.1 TP11.1
/BUTTON/BTN2: J1.2 R85.1 TP12.1
/BUTTON/BTN3: J1.3 R86.1 TP13.1
/BUTTON/BTN4: J1.4 R87.1 TP14.1
/BUTTON/BTN5: J1.5 R88.1 TP15.1
/ESP32+ETHERNET/GPIO36: U1.4
/ESP32+ETHERNET/GPIO39: U1.5
/IC ENERGY/IN1: C27.1 D12.2 D21.1 R60.2 U10.39
/IC ENERGY/IN2: C29.1 D13.2 D22.1 R62.2 U10.41
/IC ENERGY/IN3: C31.1 D14.2 D23.1 R64.2 U10.43
/IC ENERGY/IN4: C33.1 D15.2 D24.1 R66.2 U10.45
/IC ENERGY/IN5: C35.1 D16.2 D25.1 R68.2 U10.47
/IC ENERGY/IN6: C37.1 D17.2 D26.1 R70.2 U10.3
/IC ENERGY/IN7: C39.1 D18.2 D27.1 R72.2 U10.5
/IC ENERGY/IN8: C41.1 D19.2 D28.1 R74.2 U10.7
/IC ENERGY/IN9: C43.1 D20.2 D29.1 R76.2 U10.9
/IC ENERGY/IN10: C51.1 D30.2 D31.1 R79.2 U10.11
/IC ENERGY/IP1: C28.1 D12.1 D21.2 R61.2 U10.40
/IC ENERGY/IP2: C30.1 D13.1 D22.2 R63.2 U10.42
/IC ENERGY/IP3: C32.1 D14.1 D23.2 R65.2 U10.44
/IC ENERGY/IP4: C34.1 D15.1 D24.2 R67.2 U10.46
